# EAGLE board Mk4 Final Panel (EAGLE 9.0.1), part 7 of 18
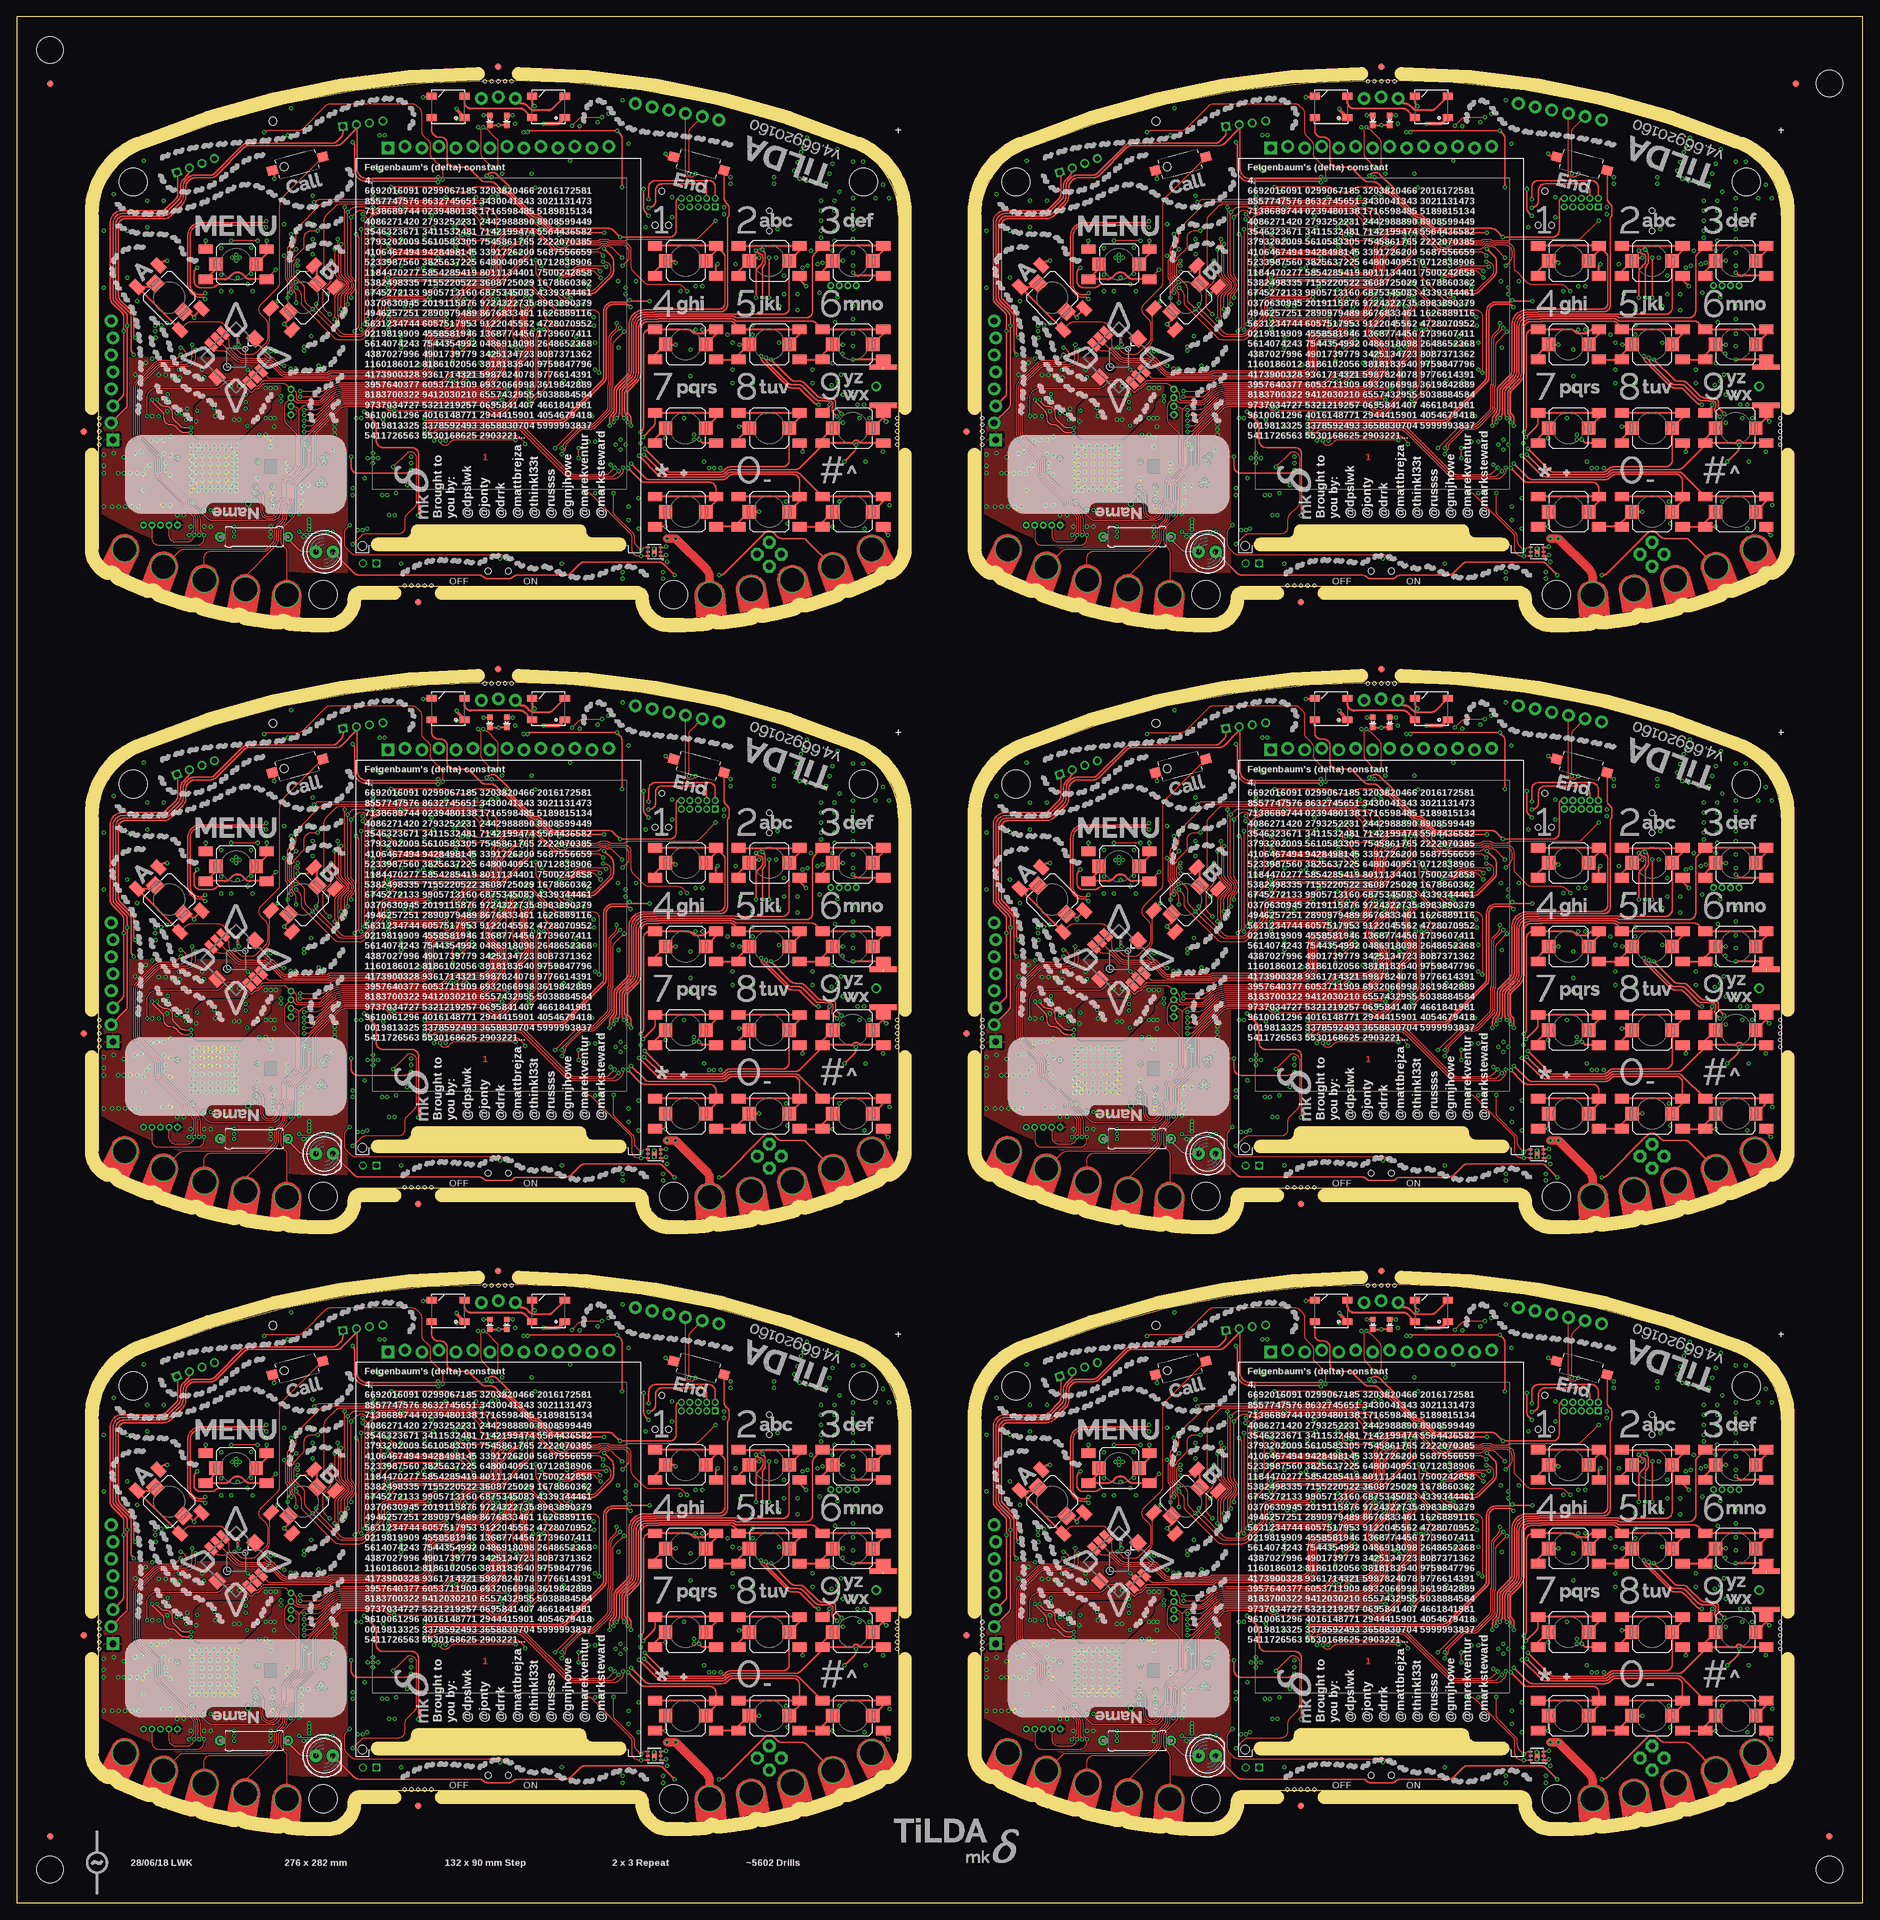
[diagram p0: board, top side]
## Tracks (layer width: path | path; a pad name or v marks a point on that pad's centre or on a via) (continued)
BTN_CALL  (via drill 0.3) (continued)
  Top 0.15: v90.65,34.6 90.65,34.26 arc-45 90.36,33.56 89.99,33.19 arc-45 89.29,32.9 83.22,32.9 arc-45 82.16,33.34 75.59,39.91 arc45 74.89,40.2 63.01,40.2 arc45 62.31,39.91 v61.8,39.4 | S16.2 39.86,75.1 arc45 39.27,73.69 39.27,62.19 arc-45 38.98,61.48 36.46,58.96 arc90 36.46,57.54 37.21,56.79 arc-45 37.5,56.09 37.5,53.91 arc-45 37.21,53.21 35.79,51.79 arc-45 35.08,51.49 34.02,51.49 arc-45 33.31,51.79 v32.6,52.5
  Bottom 0.15: IC4.15 90.5,34.75 v90.65,34.6 | v61.8,39.4 61.38,38.98 arc-90 60.32,38.98 57.72,41.58 arc45 57.01,41.88 56.17,41.88 arc-45 55.11,42.31 51.52,45.91 arc45 50.81,46.2 43.62,46.2 arc-45 43.48,46.26 43.28,46.47 arc45 43.14,46.52 42.7,46.52 arc-45 41.64,46.96 39.89,48.71 arc45 39.19,49 36.92,49 arc-45 36.03,49.37 35.09,50.31 arc45 34.39,50.6 33.85,50.6 arc-90 32.6,51.85 v32.6,52.5
BTN_CALL1  (via drill 0.3)
  Top 0.15: v222.65,34.6 222.65,34.26 arc-45 222.36,33.56 221.99,33.19 arc-45 221.29,32.9 215.22,32.9 arc-45 214.16,33.34 207.59,39.91 arc45 206.89,40.2 195.01,40.2 arc45 194.31,39.91 v193.8,39.4 | S37.2 171.86,75.1 arc45 171.28,73.69 171.28,62.19 arc-45 170.98,61.48 168.46,58.96 arc90 168.46,57.54 169.21,56.79 arc-45 169.5,56.09 169.5,53.91 arc-45 169.21,53.21 167.79,51.79 arc-45 167.08,51.49 166.02,51.49 arc-45 165.31,51.79 v164.6,52.5
  Bottom 0.15: IC31.15 222.5,34.75 v222.65,34.6 | v193.8,39.4 193.38,38.98 arc-90 192.32,38.98 189.72,41.58 arc45 189.01,41.88 188.17,41.88 arc-45 187.11,42.31 183.52,45.91 arc45 182.81,46.2 175.62,46.2 arc-45 175.48,46.26 175.28,46.47 arc45 175.13,46.52 174.7,46.52 arc-45 173.64,46.96 171.89,48.71 arc45 171.19,49 168.92,49 arc-45 168.03,49.37 167.09,50.31 arc45 166.39,50.6 165.85,50.6 arc-90 164.6,51.85 v164.6,52.5
BTN_CALL2  (via drill 0.3)
  Top 0.15: v90.65,124.6 90.65,124.26 arc-45 90.36,123.56 89.99,123.19 arc-45 89.29,122.9 83.22,122.9 arc-45 82.16,123.34 75.59,129.91 arc45 74.89,130.2 63.01,130.2 arc45 62.31,129.91 v61.8,129.4 | S58.2 39.86,165.1 arc45 39.27,163.69 39.27,152.19 arc-45 38.98,151.48 36.46,148.96 arc90 36.46,147.54 37.21,146.79 arc-45 37.5,146.09 37.5,143.91 arc-45 37.21,143.21 35.79,141.79 arc-45 35.08,141.49 34.02,141.49 arc-45 33.31,141.79 v32.6,142.5
  Bottom 0.15: IC49.15 90.5,124.75 v90.65,124.6 | v61.8,129.4 61.38,128.98 arc-90 60.32,128.98 57.72,131.58 arc45 57.01,131.88 56.17,131.88 arc-45 55.11,132.31 51.52,135.91 arc45 50.81,136.2 43.62,136.2 arc-45 43.48,136.26 43.28,136.47 arc45 43.14,136.53 42.7,136.53 arc-45 41.64,136.96 39.89,138.71 arc45 39.19,139 36.92,139 arc-45 36.03,139.37 35.09,140.31 arc45 34.39,140.6 33.85,140.6 arc-90 32.6,141.85 v32.6,142.5
BTN_CALL3  (via drill 0.3)
  Top 0.15: v222.65,124.6 222.65,124.26 arc-45 222.36,123.56 221.99,123.19 arc-45 221.29,122.9 215.22,122.9 arc-45 214.16,123.34 207.59,129.91 arc45 206.89,130.2 195.01,130.2 arc45 194.31,129.91 v193.8,129.4 | S79.2 171.86,165.1 arc45 171.28,163.69 171.28,152.19 arc-45 170.98,151.48 168.46,148.96 arc90 168.46,147.54 169.21,146.79 arc-45 169.5,146.09 169.5,143.91 arc-45 169.21,143.21 167.79,141.79 arc-45 167.08,141.49 166.02,141.49 arc-45 165.31,141.79 v164.6,142.5
  Bottom 0.15: IC67.15 222.5,124.75 v222.65,124.6 | v193.8,129.4 193.38,128.98 arc-90 192.32,128.98 189.72,131.58 arc45 189.01,131.88 188.17,131.88 arc-45 187.11,132.31 183.52,135.91 arc45 182.81,136.2 175.62,136.2 arc-45 175.48,136.26 175.28,136.47 arc45 175.13,136.53 174.7,136.53 arc-45 173.64,136.96 171.89,138.71 arc45 171.19,139 168.92,139 arc-45 168.03,139.37 167.09,140.31 arc45 166.39,140.6 165.85,140.6 arc-90 164.6,141.85 v164.6,142.5
BTN_CALL4  (via drill 0.3)
  Top 0.15: v90.65,214.6 90.65,214.26 arc-45 90.36,213.56 89.99,213.19 arc-45 89.29,212.9 83.22,212.9 arc-45 82.16,213.34 75.59,219.91 arc45 74.89,220.2 63.01,220.2 arc45 62.31,219.91 v61.8,219.4 | S100.2 39.86,255.1 arc45 39.27,253.69 39.27,242.19 arc-45 38.98,241.48 36.46,238.96 arc90 36.46,237.54 37.21,236.79 arc-45 37.5,236.09 37.5,233.91 arc-45 37.21,233.21 35.79,231.79 arc-45 35.08,231.49 34.02,231.49 arc-45 33.31,231.79 v32.6,232.5
  Bottom 0.15: IC85.15 90.5,214.75 v90.65,214.6 | v61.8,219.4 61.38,218.98 arc-90 60.32,218.98 57.72,221.58 arc45 57.01,221.88 56.17,221.88 arc-45 55.11,222.31 51.52,225.91 arc45 50.81,226.2 43.62,226.2 arc-45 43.48,226.26 43.28,226.47 arc45 43.14,226.53 42.7,226.53 arc-45 41.64,226.96 39.89,228.71 arc45 39.19,229 36.92,229 arc-45 36.03,229.37 35.09,230.31 arc45 34.39,230.6 33.85,230.6 arc-90 32.6,231.85 v32.6,232.5
BTN_CALL5  (via drill 0.3)
  Top 0.15: v222.65,214.6 222.65,214.26 arc-45 222.36,213.56 221.99,213.19 arc-45 221.29,212.9 215.22,212.9 arc-45 214.16,213.34 207.59,219.91 arc45 206.89,220.2 195.01,220.2 arc45 194.31,219.91 v193.8,219.4 | S121.2 171.86,255.1 arc45 171.28,253.69 171.28,242.19 arc-45 170.98,241.48 168.46,238.96 arc90 168.46,237.54 169.21,236.79 arc-45 169.5,236.09 169.5,233.91 arc-45 169.21,233.21 167.79,231.79 arc-45 167.08,231.49 166.02,231.49 arc-45 165.31,231.79 v164.6,232.5
  Bottom 0.15: IC103.15 222.5,214.75 v222.65,214.6 | v193.8,219.4 193.38,218.98 arc-90 192.32,218.98 189.72,221.58 arc45 189.01,221.88 188.17,221.88 arc-45 187.11,222.31 183.52,225.91 arc45 182.81,226.2 175.62,226.2 arc-45 175.48,226.26 175.28,226.47 arc45 175.13,226.53 174.7,226.53 arc-45 173.64,226.96 171.89,228.71 arc45 171.19,229 168.92,229 arc-45 168.03,229.37 167.09,230.31 arc45 166.39,230.6 165.85,230.6 arc-90 164.6,231.85 v164.6,232.5
BTN_END  (via drill 0.3)
  Top 0.2: S17.2 105.77,74.9 arc45 106.06,74.19 106.21,74.04 arc-45 106.5,73.34 106.5,72.46 arc-45 106.35,72.1 arc45 106.25,71.85 106.25,58.9 arc-90 105.25,57.9 95.45,57.9 95.38,57.83 93.9,57.83 arc90 91.9,55.83 91.9,49.05 arc-45 91.53,48.16 89.99,46.62 arc45 89.7,45.92 89.7,43.19 arc-45 89.41,42.48 89.3,42.37 arc45 89.15,42.02 89.15,41.77 89.2,41.72 v89.2,41.4
  Bottom 0.15: IC4.2 89.5,40.69 arc45 v89.21,41.39 v89.2,41.4
BTN_END1  (via drill 0.3)
  Top 0.2: S38.2 237.77,74.9 arc45 238.06,74.19 238.21,74.04 arc-45 238.5,73.34 238.5,72.46 arc-45 238.35,72.1 arc45 238.25,71.85 238.25,58.9 arc-90 237.25,57.9 227.46,57.9 227.38,57.83 225.9,57.83 arc90 223.9,55.83 223.9,49.05 arc-45 223.53,48.16 221.99,46.62 arc45 221.7,45.92 221.7,43.19 arc-45 221.41,42.48 221.3,42.37 arc45 221.15,42.02 221.15,41.77 221.2,41.72 v221.2,41.4
  Bottom 0.15: IC31.2 221.5,40.69 arc45 v221.21,41.39 v221.2,41.4
BTN_END2  (via drill 0.3)
  Top 0.2: S59.2 105.77,164.9 arc45 106.06,164.19 106.21,164.04 arc-45 106.5,163.34 106.5,162.46 arc-45 106.35,162.1 arc45 106.25,161.85 106.25,148.9 arc-90 105.25,147.9 95.45,147.9 95.38,147.82 93.9,147.82 arc90 91.9,145.82 91.9,139.05 arc-45 91.53,138.16 89.99,136.62 arc45 89.7,135.92 89.7,133.19 arc-45 89.41,132.49 89.3,132.37 arc45 89.15,132.02 89.15,131.77 89.2,131.72 v89.2,131.4
  Bottom 0.15: IC49.2 89.5,130.69 arc45 v89.21,131.39 v89.2,131.4
BTN_END3  (via drill 0.3)
  Top 0.2: S80.2 237.77,164.9 arc45 238.06,164.19 238.21,164.04 arc-45 238.5,163.34 238.5,162.46 arc-45 238.35,162.1 arc45 238.25,161.85 238.25,148.9 arc-90 237.25,147.9 227.46,147.9 227.38,147.82 225.9,147.82 arc90 223.9,145.82 223.9,139.05 arc-45 223.53,138.16 221.99,136.62 arc45 221.7,135.92 221.7,133.19 arc-45 221.41,132.49 221.3,132.37 arc45 221.15,132.02 221.15,131.77 221.2,131.72 v221.2,131.4
  Bottom 0.15: IC67.2 221.5,130.69 arc45 v221.21,131.39 v221.2,131.4
BTN_END4  (via drill 0.3)
  Top 0.2: S101.2 105.77,254.9 arc45 106.06,254.19 106.21,254.04 arc-45 106.5,253.34 106.5,252.46 arc-45 106.35,252.1 arc45 106.25,251.85 106.25,238.9 arc-90 105.25,237.9 95.45,237.9 95.38,237.82 93.9,237.82 arc90 91.9,235.82 91.9,229.05 arc-45 91.53,228.16 89.99,226.62 arc45 89.7,225.92 89.7,223.19 arc-45 89.41,222.49 89.3,222.37 arc45 89.15,222.02 89.15,221.77 89.2,221.72 v89.2,221.4
  Bottom 0.15: IC85.2 89.5,220.69 arc45 v89.21,221.39 v89.2,221.4
BTN_END5  (via drill 0.3)
  Top 0.2: S122.2 237.77,254.9 arc45 238.06,254.19 238.21,254.04 arc-45 238.5,253.34 238.5,252.46 arc-45 238.35,252.1 arc45 238.25,251.85 238.25,238.9 arc-90 237.25,237.9 227.46,237.9 227.38,237.82 225.9,237.82 arc90 223.9,235.82 223.9,229.05 arc-45 223.53,228.16 221.99,226.62 arc45 221.7,225.92 221.7,223.19 arc-45 221.41,222.49 221.3,222.37 arc45 221.15,222.02 221.15,221.77 221.2,221.72 v221.2,221.4
  Bottom 0.15: IC103.2 221.5,220.69 arc45 v221.21,221.39 v221.2,221.4
BTN_MENU  (via drill 0.3)
  Top 0.15: S14.B1 v38.75,64.15 | v56,76.5 64.23,76.5 arc-45 64.94,76.21 65.08,76.07 arc45 65.78,75.78 67.02,75.78 arc45 67.72,76.07 67.86,76.21 arc-45 68.57,76.5 71.23,76.5 arc-45 71.93,76.21 72.37,75.77 arc45 73.08,75.47 arc-45 73.33,75.37 77.02,71.68 arc-45 77.08,71.54 77.08,71.47 arc90 77.58,70.97 77.64,70.97 arc-45 77.78,70.92 v78.45,70.25
  Top 0.3: S14.2 29.8,64.3 S14.B2 31.09,62.75 arc45 31.79,63.04 32.21,63.46 arc-45 32.91,63.75 33.09,63.75 arc-45 33.79,63.46 34.21,63.04 arc45 34.91,62.75 S14.B1
  Bottom 0.15: v56,76.5 40.75,76.5 arc90 38.75,74.5 v38.75,64.15 | IC1.102 78.95,69.2 arc-90 78.45,69.7 v78.45,70.25
BTN_MENU1  (via drill 0.3)
  Top 0.15: S36.B1 v170.75,64.15 | v188,76.5 196.23,76.5 arc-45 196.94,76.21 197.08,76.07 arc45 197.78,75.78 199.02,75.78 arc45 199.72,76.07 199.86,76.21 arc-45 200.57,76.5 203.23,76.5 arc-45 203.93,76.21 204.37,75.77 arc45 205.08,75.47 arc-45 205.33,75.37 209.02,71.68 arc-45 209.07,71.54 209.07,71.47 arc90 209.57,70.97 209.64,70.97 arc-45 209.78,70.92 v210.45,70.25
  Top 0.3: S36.2 161.8,64.3 S36.B2 163.09,62.75 arc45 163.79,63.04 164.21,63.46 arc-45 164.91,63.75 165.09,63.75 arc-45 165.79,63.46 166.21,63.04 arc45 166.91,62.75 S36.B1
  Bottom 0.15: v188,76.5 172.75,76.5 arc90 170.75,74.5 v170.75,64.15 | IC20.102 210.95,69.2 arc-90 210.45,69.7 v210.45,70.25
BTN_MENU2  (via drill 0.3)
  Top 0.15: S57.B1 v38.75,154.15 | v56,166.5 64.23,166.5 arc-45 64.94,166.21 65.08,166.07 arc45 65.78,165.78 67.02,165.78 arc45 67.72,166.07 67.86,166.21 arc-45 68.57,166.5 71.23,166.5 arc-45 71.93,166.21 72.37,165.77 arc45 73.08,165.47 arc-45 73.33,165.37 77.02,161.68 arc-45 77.08,161.54 77.08,161.47 arc90 77.58,160.97 77.64,160.97 arc-45 77.78,160.92 v78.45,160.25
  Top 0.3: S57.2 29.8,154.3 S57.B2 31.09,152.75 arc45 31.79,153.04 32.21,153.46 arc-45 32.91,153.75 33.09,153.75 arc-45 33.79,153.46 34.21,153.04 arc45 34.91,152.75 S57.B1
  Bottom 0.15: v56,166.5 40.75,166.5 arc90 38.75,164.5 v38.75,154.15 | IC38.102 78.95,159.2 arc-90 78.45,159.7 v78.45,160.25
BTN_MENU3  (via drill 0.3)
  Top 0.15: S78.B1 v170.75,154.15 | v188,166.5 196.23,166.5 arc-45 196.94,166.21 197.08,166.07 arc45 197.78,165.78 199.02,165.78 arc45 199.72,166.07 199.86,166.21 arc-45 200.57,166.5 203.23,166.5 arc-45 203.93,166.21 204.37,165.77 arc45 205.08,165.47 arc-45 205.33,165.37 209.02,161.68 arc-45 209.07,161.54 209.07,161.47 arc90 209.57,160.97 209.64,160.97 arc-45 209.78,160.92 v210.45,160.25
  Top 0.3: S78.2 161.8,154.3 S78.B2 163.09,152.75 arc45 163.79,153.04 164.21,153.46 arc-45 164.91,153.75 165.09,153.75 arc-45 165.79,153.46 166.21,153.04 arc45 166.91,152.75 S78.B1
  Bottom 0.15: v188,166.5 172.75,166.5 arc90 170.75,164.5 v170.75,154.15 | IC56.102 210.95,159.2 arc-90 210.45,159.7 v210.45,160.25
BTN_MENU4  (via drill 0.3)
  Top 0.15: S99.B1 v38.75,244.15 | v56,256.5 64.23,256.5 arc-45 64.94,256.21 65.08,256.07 arc45 65.78,255.78 67.02,255.78 arc45 67.72,256.07 67.86,256.21 arc-45 68.57,256.5 71.23,256.5 arc-45 71.93,256.21 72.37,255.77 arc45 73.08,255.47 arc-45 73.33,255.37 77.02,251.68 arc-45 77.08,251.54 77.08,251.47 arc90 77.58,250.97 77.64,250.97 arc-45 77.78,250.92 v78.45,250.25
  Top 0.3: S99.2 29.8,244.3 S99.B2 31.09,242.75 arc45 31.79,243.04 32.21,243.46 arc-45 32.91,243.75 33.09,243.75 arc-45 33.79,243.46 34.21,243.04 arc45 34.91,242.75 S99.B1
  Bottom 0.15: v56,256.5 40.75,256.5 arc90 38.75,254.5 v38.75,244.15 | IC74.102 78.95,249.2 arc-90 78.45,249.7 v78.45,250.25
BTN_MENU5  (via drill 0.3)
  Top 0.15: S120.B1 v170.75,244.15 | v188,256.5 196.23,256.5 arc-45 196.94,256.21 197.08,256.07 arc45 197.78,255.78 199.02,255.78 arc45 199.72,256.07 199.86,256.21 arc-45 200.57,256.5 203.23,256.5 arc-45 203.93,256.21 204.37,255.77 arc45 205.08,255.47 arc-45 205.33,255.37 209.02,251.68 arc-45 209.07,251.54 209.07,251.47 arc90 209.57,250.97 209.64,250.97 arc-45 209.78,250.92 v210.45,250.25
  Top 0.3: S120.2 161.8,244.3 S120.B2 163.09,242.75 arc45 163.79,243.04 164.21,243.46 arc-45 164.91,243.75 165.09,243.75 arc-45 165.79,243.46 166.21,243.04 arc45 166.91,242.75 S120.B1
  Bottom 0.15: v188,256.5 172.75,256.5 arc90 170.75,254.5 v170.75,244.15 | IC92.102 210.95,249.2 arc-90 210.45,249.7 v210.45,250.25
BTST
  Bottom 0.15: IC8.21 50.54,35.75 50.04,35.25 C37.1
BTST1
  Bottom 0.15: IC24.21 182.54,35.75 182.04,35.25 C150.1
BTST2
  Bottom 0.15: IC42.21 50.54,125.75 50.04,125.25 C258.1
BTST3
  Bottom 0.15: IC60.21 182.54,125.75 182.04,125.25 C366.1
BTST4
  Bottom 0.15: IC78.21 50.54,215.75 50.04,215.25 C474.1
BTST5
  Bottom 0.15: IC96.21 182.54,215.75 182.04,215.25 C582.1
CC_!HIB  (via drill 0.3)
  Top 0.15: v43,43.2 44.48,43.2 arc45 45.72,43.71 47.07,45.07 arc-45 48.84,45.8 69.05,45.8 arc45 70.29,46.31 72.71,48.73 arc45 73,49.44 73,49.89 arc-45 73.15,50.25 73.35,50.45 arc45 73.5,50.81 73.5,51.1 arc-90 74,51.6 74.89,51.6 arc45 75.59,51.89 75.73,52.03 arc45 76.03,52.74 76.03,52.97 76,52.99 arc45 75.82,53.44 75.59,53.66 arc-45 75.3,54.37 75.3,58.46 arc-45 75.22,58.64 75.22,58.86 arc-45 75.3,59.04 75.3,59.29 arc-45 75.45,59.65 v76.1,60.3
  Bottom 0.15: IC15.2 32.75,29.7 arc45 32.89,29.36 33.88,28.38 arc45 34.18,28.25 35.79,28.25 arc45 36.15,28.4 R25.1 36.88,28.37 arc45 37.23,28.23 38.3,28.23 arc90 38.8,28.73 38.8,30.5 arc-45 39.39,31.91 40.81,33.33 arc45 41.1,34.04 41.1,40.89 arc-45 41.39,41.59 v43,43.2 | IC1.124 77.22,60.4 arc-45 77.08,60.46 77.08,60.47 arc45 76.94,60.52 76.53,60.52 arc45 76.18,60.38 v76.1,60.3
CC_!HIB1  (via drill 0.3)
  Top 0.15: v175,43.2 176.48,43.2 arc45 177.72,43.71 179.07,45.07 arc-45 180.84,45.8 201.05,45.8 arc45 202.29,46.31 204.71,48.73 arc45 205,49.44 205,49.89 arc-45 205.15,50.25 205.35,50.45 arc45 205.5,50.81 205.5,51.1 arc-90 206,51.6 206.89,51.6 arc45 207.59,51.89 207.73,52.03 arc45 208.03,52.74 208.03,52.97 208,52.99 arc45 207.82,53.44 207.59,53.66 arc-45 207.3,54.37 207.3,58.46 arc-45 207.22,58.64 207.22,58.86 arc-45 207.3,59.04 207.3,59.29 arc-45 207.45,59.65 v208.1,60.3
  Bottom 0.15: IC29.2 164.75,29.7 arc45 164.89,29.36 165.88,28.38 arc45 166.18,28.25 167.79,28.25 arc45 168.15,28.4 R107.1 168.88,28.37 arc45 169.23,28.23 170.3,28.23 arc90 170.8,28.73 170.8,30.5 arc-45 171.39,31.91 172.81,33.33 arc45 173.1,34.04 173.1,40.89 arc-45 173.39,41.59 v175,43.2 | IC20.124 209.22,60.4 arc-45 209.08,60.46 209.08,60.47 arc45 208.94,60.52 208.53,60.52 arc45 208.18,60.38 v208.1,60.3
CC_!HIB2  (via drill 0.3)
  Top 0.15: v43,133.2 44.48,133.2 arc45 45.72,133.71 47.07,135.07 arc-45 48.84,135.8 69.05,135.8 arc45 70.29,136.31 72.71,138.73 arc45 73,139.44 73,139.89 arc-45 73.15,140.25 73.35,140.45 arc45 73.5,140.81 73.5,141.1 arc-90 74,141.6 74.89,141.6 arc45 75.59,141.89 75.73,142.03 arc45 76.03,142.74 76.03,142.97 76,142.99 arc45 75.82,143.44 75.59,143.66 arc-45 75.3,144.37 75.3,148.46 arc-45 75.22,148.64 75.22,148.86 arc-45 75.3,149.04 75.3,149.29 arc-45 75.45,149.65 v76.1,150.3
  Bottom 0.15: IC47.2 32.75,119.7 arc45 32.89,119.36 33.88,118.38 arc45 34.18,118.25 35.79,118.25 arc45 36.15,118.4 R185.1 36.88,118.37 arc45 37.23,118.22 38.3,118.22 arc90 38.8,118.72 38.8,120.5 arc-45 39.39,121.91 40.81,123.33 arc45 41.1,124.04 41.1,130.89 arc-45 41.39,131.59 v43,133.2 | IC38.124 77.22,150.4 arc-45 77.08,150.46 77.08,150.47 arc45 76.94,150.53 76.53,150.53 arc45 76.18,150.38 v76.1,150.3
CC_!HIB3  (via drill 0.3)
  Top 0.15: v175,133.2 176.48,133.2 arc45 177.72,133.71 179.07,135.07 arc-45 180.84,135.8 201.05,135.8 arc45 202.29,136.31 204.71,138.73 arc45 205,139.44 205,139.89 arc-45 205.15,140.25 205.35,140.45 arc45 205.5,140.81 205.5,141.1 arc-90 206,141.6 206.89,141.6 arc45 207.59,141.89 207.73,142.03 arc45 208.03,142.74 208.03,142.97 208,142.99 arc45 207.82,143.44 207.59,143.66 arc-45 207.3,144.37 207.3,148.46 arc-45 207.22,148.64 207.22,148.86 arc-45 207.3,149.04 207.3,149.29 arc-45 207.45,149.65 v208.1,150.3
  Bottom 0.15: IC65.2 164.75,119.7 arc45 164.89,119.36 165.88,118.38 arc45 166.18,118.25 167.79,118.25 arc45 168.15,118.4 R263.1 168.88,118.37 arc45 169.23,118.22 170.3,118.22 arc90 170.8,118.72 170.8,120.5 arc-45 171.39,121.91 172.81,123.33 arc45 173.1,124.04 173.1,130.89 arc-45 173.39,131.59 v175,133.2 | IC56.124 209.22,150.4 arc-45 209.08,150.46 209.08,150.47 arc45 208.94,150.53 208.53,150.53 arc45 208.18,150.38 v208.1,150.3
CC_!HIB4  (via drill 0.3)
  Top 0.15: v43,223.2 44.48,223.2 arc45 45.72,223.71 47.07,225.07 arc-45 48.84,225.8 69.05,225.8 arc45 70.29,226.31 72.71,228.73 arc45 73,229.44 73,229.89 arc-45 73.15,230.25 73.35,230.45 arc45 73.5,230.81 73.5,231.1 arc-90 74,231.6 74.89,231.6 arc45 75.59,231.89 75.73,232.03 arc45 76.03,232.74 76.03,232.97 76,232.99 arc45 75.82,233.44 75.59,233.66 arc-45 75.3,234.37 75.3,238.46 arc-45 75.22,238.64 75.22,238.86 arc-45 75.3,239.04 75.3,239.29 arc-45 75.45,239.65 v76.1,240.3
  Bottom 0.15: IC83.2 32.75,209.7 arc45 32.89,209.36 33.88,208.38 arc45 34.18,208.25 35.79,208.25 arc45 36.15,208.4 R341.1 36.88,208.37 arc45 37.23,208.22 38.3,208.22 arc90 38.8,208.72 38.8,210.5 arc-45 39.39,211.91 40.81,213.33 arc45 41.1,214.04 41.1,220.89 arc-45 41.39,221.59 v43,223.2 | IC74.124 77.22,240.4 arc-45 77.08,240.46 77.08,240.47 arc45 76.94,240.53 76.53,240.53 arc45 76.18,240.38 v76.1,240.3
CC_!HIB5  (via drill 0.3)
  Top 0.15: v175,223.2 176.48,223.2 arc45 177.72,223.71 179.07,225.07 arc-45 180.84,225.8 201.05,225.8 arc45 202.29,226.31 204.71,228.73 arc45 205,229.44 205,229.89 arc-45 205.15,230.25 205.35,230.45 arc45 205.5,230.81 205.5,231.1 arc-90 206,231.6 206.89,231.6 arc45 207.59,231.89 207.73,232.03 arc45 208.03,232.74 208.03,232.97 208,232.99 arc45 207.82,233.44 207.59,233.66 arc-45 207.3,234.37 207.3,238.46 arc-45 207.22,238.64 207.22,238.86 arc-45 207.3,239.04 207.3,239.29 arc-45 207.45,239.65 v208.1,240.3
  Bottom 0.15: IC101.2 164.75,209.7 arc45 164.89,209.36 165.88,208.38 arc45 166.18,208.25 167.79,208.25 arc45 168.15,208.4 R419.1 168.88,208.37 arc45 169.23,208.22 170.3,208.22 arc90 170.8,208.72 170.8,210.5 arc-45 171.39,211.91 172.81,213.33 arc45 173.1,214.04 173.1,220.89 arc-45 173.39,221.59 v175,223.2 | IC92.124 209.22,240.4 arc-45 209.08,240.46 209.08,240.47 arc45 208.94,240.53 208.53,240.53 arc45 208.18,240.38 v208.1,240.3
CC_!RESET  (via drill 0.3)
  Top 0.15: v73.2,60.5 73.2,59.95 arc45 73.35,59.6 73.38,59.56 arc-45 73.53,59.21 73.53,59.09 arc-45 73.45,58.9 arc45 73.3,58.55 73.3,58.54 arc-45 73.15,58.19 70.86,55.89 arc90 70.86,54.12 72.31,52.67 arc-45 72.6,51.96 72.6,51.41 arc-45 72.45,51.05 72.25,50.85 arc45 72.1,50.49 72.1,50.22 arc-45 71.51,48.81 69.7,46.99 arc-45 68.99,46.7 48.78,46.7 arc45 46.58,45.85 45.63,44.89 arc-45 44.92,44.6 42.3,44.6 arc-90 41.8,45.1 41.8,45.51 arc90 JP5.4 40.39,46.91 arc45 39.69,47.2 37.13,47.2 arc45 36.78,47.05 36.26,46.53 arc-45 35.94,46.4 arc45 35.59,46.25 35.28,45.95 arc-90 34.92,45.95 33.56,47.31 arc45 32.86,47.6 31.81,47.6 arc45 31.11,47.31 30.49,46.69 arc-45 29.79,46.4 20.9,46.4 arc90 19.4,44.9 19.4,42.34 v19.5,42.24 v19.5,42.25
  Bottom 0.15: IC1.12 73.8,59.69 arc45 73.65,60.05 v73.2,60.5
  Bottom 0.2: IC15.32 24.75,38.25 24.54,38.46 arc-45 24.25,39.16 24.25,39.5 arc90 23.25,40.5 R73.1 C60.2 arc-90 19.5,41.25 v19.5,42.25
CC_!RESET1  (via drill 0.3)
  Top 0.15: v205.2,60.5 205.2,59.95 arc45 205.35,59.6 205.38,59.56 arc-45 205.53,59.21 205.53,59.09 arc-45 205.45,58.9 arc45 205.3,58.55 205.3,58.54 arc-45 205.15,58.19 202.85,55.89 arc90 202.85,54.12 204.31,52.67 arc-45 204.6,51.96 204.6,51.41 arc-45 204.45,51.05 204.25,50.85 arc45 204.1,50.49 204.1,50.22 arc-45 203.51,48.81 201.7,46.99 arc-45 200.99,46.7 180.78,46.7 arc45 178.58,45.85 177.63,44.89 arc-45 176.92,44.6 174.3,44.6 arc-90 173.8,45.1 173.8,45.51 arc90 JP16.4 172.39,46.91 arc45 171.69,47.2 169.13,47.2 arc45 168.78,47.05 168.26,46.53 arc-45 167.94,46.4 arc45 167.58,46.25 167.28,45.95 arc-90 166.93,45.95 165.56,47.31 arc45 164.86,47.6 163.81,47.6 arc45 163.11,47.31 162.49,46.69 arc-45 161.79,46.4 152.9,46.4 arc90 151.4,44.9 151.4,42.34 v151.5,42.24 v151.5,42.25
  Bottom 0.15: IC20.12 205.8,59.69 arc45 205.65,60.05 v205.2,60.5
  Bottom 0.2: IC29.32 156.75,38.25 156.54,38.46 arc-45 156.25,39.16 156.25,39.5 arc90 155.25,40.5 R151.1 C187.2 arc-90 151.5,41.25 v151.5,42.25
CC_!RESET2  (via drill 0.3)
  Top 0.15: v73.2,150.5 73.2,149.95 arc45 73.35,149.6 73.38,149.56 arc-45 73.53,149.21 73.53,149.09 arc-45 73.45,148.9 arc45 73.3,148.55 73.3,148.54 arc-45 73.15,148.19 70.86,145.89 arc90 70.86,144.12 72.31,142.67 arc-45 72.6,141.96 72.6,141.41 arc-45 72.45,141.05 72.25,140.85 arc45 72.1,140.49 72.1,140.22 arc-45 71.51,138.81 69.7,136.99 arc-45 68.99,136.7 48.78,136.7 arc45 46.58,135.85 45.63,134.89 arc-45 44.92,134.6 42.3,134.6 arc-90 41.8,135.1 41.8,135.51 arc90 JP25.4 40.39,136.91 arc45 39.69,137.2 37.13,137.2 arc45 36.78,137.05 36.26,136.53 arc-45 35.94,136.4 arc45 35.59,136.25 35.28,135.95 arc-90 34.92,135.95 33.56,137.31 arc45 32.86,137.6 31.81,137.6 arc45 31.11,137.31 30.49,136.69 arc-45 29.79,136.4 20.9,136.4 arc90 19.4,134.9 19.4,132.34 v19.5,132.24 v19.5,132.25
  Bottom 0.15: IC38.12 73.8,149.69 arc45 73.65,150.05 v73.2,150.5
  Bottom 0.2: IC47.32 24.75,128.25 24.54,128.46 arc-45 24.25,129.16 24.25,129.5 arc90 23.25,130.5 R229.1 C295.2 arc-90 19.5,131.25 v19.5,132.25
CC_!RESET3  (via drill 0.3)
  Top 0.15: v205.2,150.5 205.2,149.95 arc45 205.35,149.6 205.38,149.56 arc-45 205.53,149.21 205.53,149.09 arc-45 205.45,148.9 arc45 205.3,148.55 205.3,148.54 arc-45 205.15,148.19 202.85,145.89 arc90 202.85,144.12 204.31,142.67 arc-45 204.6,141.96 204.6,141.41 arc-45 204.45,141.05 204.25,140.85 arc45 204.1,140.49 204.1,140.22 arc-45 203.51,138.81 201.7,136.99 arc-45 200.99,136.7 180.78,136.7 arc45 178.58,135.85 177.63,134.89 arc-45 176.92,134.6 174.3,134.6 arc-90 173.8,135.1 173.8,135.51 arc90 JP34.4 172.39,136.91 arc45 171.69,137.2 169.13,137.2 arc45 168.78,137.05 168.26,136.53 arc-45 167.94,136.4 arc45 167.58,136.25 167.28,135.95 arc-90 166.93,135.95 165.56,137.31 arc45 164.86,137.6 163.81,137.6 arc45 163.11,137.31 162.49,136.69 arc-45 161.79,136.4 152.9,136.4 arc90 151.4,134.9 151.4,132.34 v151.5,132.24 v151.5,132.25
  Bottom 0.15: IC56.12 205.8,149.69 arc45 205.65,150.05 v205.2,150.5
  Bottom 0.2: IC65.32 156.75,128.25 156.54,128.46 arc-45 156.25,129.16 156.25,129.5 arc90 155.25,130.5 R307.1 C403.2 arc-90 151.5,131.25 v151.5,132.25
CC_!RESET4  (via drill 0.3)
  Top 0.15: v73.2,240.5 73.2,239.95 arc45 73.35,239.6 73.38,239.56 arc-45 73.53,239.21 73.53,239.09 arc-45 73.45,238.9 arc45 73.3,238.55 73.3,238.54 arc-45 73.15,238.19 70.86,235.89 arc90 70.86,234.12 72.31,232.67 arc-45 72.6,231.96 72.6,231.41 arc-45 72.45,231.05 72.25,230.85 arc45 72.1,230.49 72.1,230.22 arc-45 71.51,228.81 69.7,226.99 arc-45 68.99,226.7 48.78,226.7 arc45 46.58,225.85 45.63,224.89 arc-45 44.92,224.6 42.3,224.6 arc-90 41.8,225.1 41.8,225.51 arc90 JP43.4 40.39,226.91 arc45 39.69,227.2 37.13,227.2 arc45 36.78,227.05 36.26,226.53 arc-45 35.94,226.4 arc45 35.59,226.25 35.28,225.95 arc-90 34.92,225.95 33.56,227.31 arc45 32.86,227.6 31.81,227.6 arc45 31.11,227.31 30.49,226.69 arc-45 29.79,226.4 20.9,226.4 arc90 19.4,224.9 19.4,222.34 v19.5,222.24 v19.5,222.25
  Bottom 0.15: IC74.12 73.8,239.69 arc45 73.65,240.05 v73.2,240.5
  Bottom 0.2: IC83.32 24.75,218.25 24.54,218.46 arc-45 24.25,219.16 24.25,219.5 arc90 23.25,220.5 R385.1 C511.2 arc-90 19.5,221.25 v19.5,222.25
CC_!RESET5  (via drill 0.3)
  Top 0.15: v205.2,240.5 205.2,239.95 arc45 205.35,239.6 205.38,239.56 arc-45 205.53,239.21 205.53,239.09 arc-45 205.45,238.9 arc45 205.3,238.55 205.3,238.54 arc-45 205.15,238.19 202.85,235.89 arc90 202.85,234.12 204.31,232.67 arc-45 204.6,231.96 204.6,231.41 arc-45 204.45,231.05 204.25,230.85 arc45 204.1,230.49 204.1,230.22 arc-45 203.51,228.81 201.7,226.99 arc-45 200.99,226.7 180.78,226.7 arc45 178.58,225.85 177.63,224.89 arc-45 176.92,224.6 174.3,224.6 arc-90 173.8,225.1 173.8,225.51 arc90 JP52.4 172.39,226.91 arc45 171.69,227.2 169.13,227.2 arc45 168.78,227.05 168.26,226.53 arc-45 167.94,226.4 arc45 167.58,226.25 167.28,225.95 arc-90 166.93,225.95 165.56,227.31 arc45 164.86,227.6 163.81,227.6 arc45 163.11,227.31 162.49,226.69 arc-45 161.79,226.4 152.9,226.4 arc90 151.4,224.9 151.4,222.34 v151.5,222.24 v151.5,222.25
  Bottom 0.15: IC92.12 205.8,239.69 arc45 205.65,240.05 v205.2,240.5
  Bottom 0.2: IC101.32 156.75,218.25 156.54,218.46 arc-45 156.25,219.16 156.25,219.5 arc90 155.25,220.5 R463.1 C619.2 arc-90 151.5,221.25 v151.5,222.25
CC_!RTS
  Bottom 0.2: IC15.50 35.04,37.75 arc-45 35.4,37.6 35.65,37.35 arc45 36.01,37.2 38.05,37.2 arc90 38.55,37.7 38.55,37.8 R70.1
CC_!RTS1
  Bottom 0.2: IC29.50 167.04,37.75 arc-45 167.4,37.6 167.65,37.35 arc45 168.01,37.2 170.05,37.2 arc90 170.55,37.7 170.55,37.8 R148.1